# Altium PCB LION_TRACKER.PcbDoc (part 2 of 2) (continued)
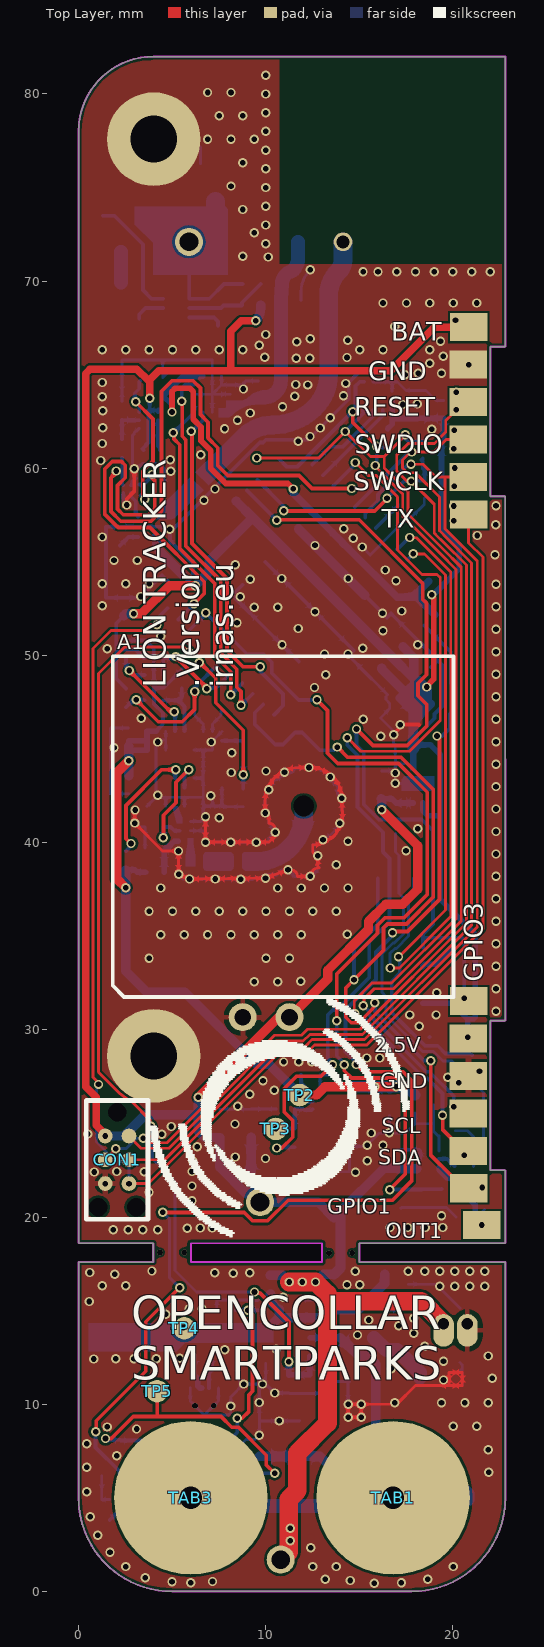
[diagram p0: Top Layer view]
## Nets (pads, with @x,y where several pads share a name; then routed paths per layer and width w, separated by ;. In a path a pad name is that pad's centre, name@x,y a point inside that pad or via, vN(x,y) a via of type N, cw(c..) or ccw(c..) an arc to the next point about the centre after c; other vN are vias at no path point) (continued)
NetC43_2: C43.2 U12.2 | length 1.4
  Bottom Layer w0.2: U12.2@6.97,7.97 6.97,7.29 C43.2@7.31,6.95 C43.2@7.31,7.16
NetC45_2: C45.2 R35.1 U14.5 | length 4.4
  Bottom Layer w0.2: U14.5@5.91,68.56 7.61,68.56 7.75,68.7 8.7,68.7 R35.1@8.73,68.73 8.73,68.85 C45.2@9.73,69.85
NetD2_2: D2.2 R9.2 | length 1.8
  Bottom Layer w0.3: R9.2@18.39,33.39 R9.2@18.4,33.4 18.5,33.5 19,33.5 D2.2@19.8,34.3
NetD3_1: D3.1 F1.1 | length 3.5
  Bottom Layer w0.75: F1.1@15.79,13.55 16.44,12.9 17.025,12.9 18.23,11.695 D3.1@18.23,11.42
NetD5_3: D5.3 R14.1 | length 21.6
  Bottom Layer w0.152: D5.3@16.929,40.494 16.929,39.501 17.117,39.313 17.117,37.284 17.357,37.043 17.357,35.129 16.865,34.637 16.794,34.637 16.364,34.207 16.207,34.051 16.207,32.013 16.43,31.79 16.43,30.805 18.385,28.85 18.97,28.85 19.473,28.347 19.945,28.347 21.642,26.65 21.642,23.302 21.1,22.76 R14.1@21.1,22.71
NetL1_1: L1.1 U2.3
NetL5_1: L5.1 U7.A2
NetR2_2: R2.2 U1.H9 | length 1.2
  Bottom Layer w0.2: U1.H9@7.66,45.45 8.69,45.45 R2.2@8.8,45.34
NetR3_2: R3.2 U1.C5 U2.5 | length 6.8
  Top Layer w0.2: v1(4.53,40.26) 4.54,40.27 4.54,41.47 5.21,42.14 5.21,43.23 v1(5.88,43.9)
  Bottom Layer w0.2: v1(4.53,40.26) 4.54,40.27 4.54,40.83 R3.2@4.55,40.84 4.92,40.84 5.12,40.64 U2.5@5.39,40.64 ; U1.C5@5.66,42.95 5.66,43.66 5.88,43.88 v1(5.88,43.9) v1@5.88,43.92
NetR4_1: R4.1 U1.D4 | length 6.6
  Top Layer w0.2: v1(2.8,39.96) 2.78,39.96 2.533,40.207 2.533,41.993 4.435,43.895 v1(5.185,43.895)
  Bottom Layer w0.2: R4.1@2.52,39.54 2.53,39.55 2.8,39.82 v1(2.8,39.96) ; U1.D4@5.16,43.45 5.16,43.87 v1(5.185,43.895) v1@5.21,43.92
NetR12_2: pad.106@21.535,19.579 R12.2 T2.3 | length 4.2
  Bottom Layer w0.2: T2.3@19.26,22.66 T2.3@19.26,22.68 ; R12.2@20.4,21.5 20.4,21.52 R12.2@20.4,21.54
  Bottom Layer w0.3: T2.3@19.26,22.66 19.26,22.53 19.713,22.077 19.873,22.077 20.4,21.55 R12.2@20.4,21.52 ; R12.2@20.4,21.5 20.4,21.45 21.195,20.655 21.195,20.185 21.544,19.836 21.544,19.588 v1(21.535,19.579)
NetR13_1: R13.1 T2.5 T2.6 | length 1.6
  Bottom Layer w0.2: R13.1@17.07,23.6 18.2,23.6 T2.6@18.26,23.54 T2.5@18.26,23.11
NetR14_2: R14.2 R16.2 T2.2 | length 2.1
  Bottom Layer w0.2: T2.2@19.26,23.11 19.7,23.11 R14.2@20.1,22.71 R16.2@20.1,23.81
NetR19_2: R19.2 U5.4 | length 1.1
  Bottom Layer w0.2: R19.2@2.22,55.88 2.67,56.33 U5.4@3.18,56.33
NetR20_1: R20.1 T3.5 T3.6 | length 1.7
  Bottom Layer w0.2: T3.5@4.24,62.57 T3.6@4.24,62.14 4.24,61.2 R20.1@4.4,61.04 R20.1@4.34,60.98
NetR21_2: R21.2 R22.2 T3.2 | length 1.9
  Bottom Layer w0.2: R21.2@2.32,61.57 R22.2@2.32,62.58 2.33,62.57 T3.2@3.24,62.57
NetR25_2: R25.2 U7.B3 | length 1.3
  Bottom Layer w0.2: R25.2@11.89,27.59 11.89,27.17 U7.B3@12.5,26.56
NetR27_1: R27.1 T4.3 TP5.0 U12.3 | length 21
  Top Layer w0.2: v1(1.44,8.17) 1.75,8.17 2.926,9.346 4.2,9.346 ; TP5.0@4.2,10.7 4.2,9.346 ; v1(10.48,6.31) 10.03,6.76 10.03,7.28 8.54,8.77 8.19,8.77 7.614,9.346 4.2,9.346
  Bottom Layer w0.2: v1(1.44,8.17) 1.505,8.105 T4.3@2.21,8.105 2.255,8.06 R27.1@4.5,8.06 ; U12.3@6.47,7.97 6.47,6.78 6.95,6.3 6.96,6.31 v1(10.48,6.31)
NetR28_1: R28.1 R30.2 U12.1 | length 9.7
  Top Layer w0.2: v1(8.48,9.25) 8.73,9.25 9.1,9.62 9.1,10.5 9.3,10.7 9.3,14.785 v1(9.055,15.03)
  Bottom Layer w0.2: U12.1@7.47,7.97 7.95,7.97 8.48,8.5 v1(8.48,9.25) ; R30.2@8.38,15.02 8.39,15.03 v1(9.055,15.03) R28.1@9.72,15.03
NetR29_2: R29.2 U13.5 | length 1.4
  Bottom Layer w0.2: U13.5@16.35,15.05 17.25,15.05 R29.2@17.61,15.41
NetR31_2: R31.2 R32.2 T4.1 | length 2.6
  Bottom Layer w0.2: R31.2@2.67,3.815 R32.2@2.67,4.905 2.67,5.42 3.18,5.93 T4.1@3.18,6.165
NetR36_2: R36.2 U14.6 | length 1.8
  Bottom Layer w0.2: U14.6@5.91,68.06 7.24,68.06 7.45,67.85 R36.2@7.45,67.63
NetT5_1: T5.1 U14.2 | length 1.6
  Bottom Layer w0.2: T5.1@3.24,67.99 3.24,68.225 3.575,68.56 U14.2@4.51,68.56
NetT5_3: T5.3 T6.3 | length 1.6
  Bottom Layer w0.75: T5.3@2.27,69.93 2.27,71.54 T6.3@2.28,71.55
NetT6_1: T6.1 U14.3 | length 6.5
  Bottom Layer w0.2: T6.1@1.31,73.49 1.92,73.49 3.44,71.97 3.44,69.52 3.9,69.06 U14.3@4.51,69.06
NetU1_A4: U1.A4 U2.6
NetU1_J7: U1.J7 X1.2 | length 1.3
  Bottom Layer w0.152: X1.2@6.206,47.04 6.206,46.79 6.66,46.337 U1.J7@6.66,45.95
NetU1_J8: U1.J8 X1.1 | length 1.3
  Bottom Layer w0.152: U1.J8@7.16,45.95 7.16,46.344 7.606,46.79 X1.1@7.606,47.04
NetU4_26: U4.26 U5.3
NetU5_6: U5.6 U6.B1 | length 1.4
  Bottom Layer w0.2: U6.B1@2.79,58.69 2.79,58.505 2.945,58.35 3.057,58.238 3.057,57.553 U5.6@3.18,57.43
NFC_GPIO: D5.2 pad.106@20.84,21.54 U4.15 | length 48.3
  Top Layer w0.2: v1(13.83,45.11) 14.38,44.56 17.24,44.56 18.954,42.846 18.954,37.096 17.521,35.663 16.505,35.663 16.296,35.454 16.296,35.086 16.293,35.083 16.293,34.256 v1(14.716,32.678) 14.706,32.678 14.27,32.242 14.27,30.679 14.569,30.38 14.964,30.38 15.687,31.102 15.687,31.136 15.82,31.269 v1(15.82,31.444) ; v1(18.81,28.36) 18.81,23.32 19.94,22.19 20.59,21.54 pad.106@20.84,21.54
  Bottom Layer w0.2: U4.15@9.874,47.396 9.419,46.941 9.419,46.339 9.435,46.323 9.435,46.312 9.956,45.791 10.488,45.259 10.499,45.259 10.514,45.244 10.925,45.244 11.571,45.89 11.949,45.89 12.895,44.944 13.664,44.944 v1(13.83,45.11) ; v1(14.716,32.678) 14.716,34.343 15.979,35.606 D5.2@15.979,38.094 ; v1(15.82,31.444) 15.84,31.425 15.84,30.967 18.447,28.36 v1(18.81,28.36) ; v1(21.577,21.58) 21.577,21.607 21.58,21.61 v1@21.66,21.53
REED: U4.46 U9.2 | length 32.5
  Top Layer w0.152: v1(17.096,33.904) 17.104,33.904 19.6,36.4 19.6,54.311 18.478,55.433 v1(17.883,55.433)
  Bottom Layer w0.2: v1(17.096,33.904) 17.154,33.846 17.154,33.012 16.738,32.596 16.738,30.926 17.154,30.51 18.511,29.153 19.187,29.153 19.594,28.746 20.924,28.746 U9.2@21.02,28.65 ; U4.46@17.579,55.113 17.891,55.425 v1(17.883,55.433)
RESET: C11.2 CON1.3 pad.103@20.82,63.54 R18.1 U4.34 | length 69.9
  Top Layer w0.152: CON1.3@1.425,23.06 1.99,23.625 v1(1.99,23.66) ; v1(3.46,24.21) 3.7,23.97 4.727,23.97 6.238,25.481 6.919,26.162 10.475,29.718 11.918,29.718 12.237,30.037 15.053,30.037 20.721,35.705 20.721,54.833 19.525,56.029 19.079,56.475 19,56.554 19,58.08 v1(17.77,59.31) 17.54,59.31 17,59.85 17,60.722 17.611,61.333 19.017,61.333 19.617,61.933 19.617,62.552 20.001,62.936 20.001,63.13 20.001,63.401 20.14,63.54 pad.103@20.84,63.54
  Top Layer w0.2: v1(10.97,57.727) 10.977,57.72 15.82,57.72 16.48,58.38 v1(16.48,58.4)
  Bottom Layer w0.152: v1(1.99,23.66) 2.551,23.66 3.101,24.21 v1(3.46,24.21)
  Bottom Layer w0.2: U4.34@9.554,59.377 10.982,57.949 10.928,57.894 10.928,57.769 v1(10.97,57.727) ; v1(16.48,58.4) 17.39,59.31 v1(17.77,59.31) ; v1@17.77,59.23 17.88,59.34 C11.2@18.47,59.34 ; R18.1@18.395,60.525 18.32,60.45 R18.1@18.39,60.38 18.39,59.99 18.49,59.89 18.49,59.38 18.46,59.35 C11.2@18.47,59.34 ; C11.2@18.45,59.32 C11.2@18.47,59.34 ; v1(20.18,63.13) 20.183,63.133 v1(20.183,64.068)
RXD: R5.2 T1.1 U1.J4 | length 6.1
  Top Layer w0.2: v1(2.712,49.198) 4.915,46.995 v1(5.114,46.995)
  Bottom Layer w0.2: R5.2@2.54,49.82 2.54,49.37 v1(2.712,49.198) 2.955,48.955 T1.1@3.53,48.955 ; v1@5.069,47.04 v1(5.114,46.995) 5.16,46.949 U1.J4@5.16,45.95
SCL: pad.104@20.82,25.54 R10.1 U4.35 U10.1 | length 53.6
  Top Layer w0.152: v1(9.525,60.551) 12.831,60.551 v1(14.25,61.97) 15.59,60.63 16.33,60.63 ; v1(15.21,31.3) 15.241,31.331 15.241,31.641 15.8,32.2 16.822,32.2 20.442,35.82 20.442,54.718 19.41,55.75 18.8,56.359 17.6,57.56 17.6,58.75 16.33,60.02 16.33,60.63 ; v1(17.45,61.795) 17.45,61.75 16.33,60.63
  Bottom Layer w0.2: v1(14.25,61.97) 14.835,62.555 14.851,62.555 15.13,62.834 15.13,62.85 15.25,62.97 U10.1@15.25,63.12 ; v1(15.21,31.3) 15.513,30.997 15.513,30.828 18.571,27.77 18.74,27.77 20.045,26.465 v1(20.045,25.894) ; v1(17.45,61.795) 17.45,61.61 17.6,61.46 R10.1@18.39,61.46
SCLK: U3.3 U4.16 | length 19.9
  Top Layer w0.2: v1(5.517,63.58) 5.539,63.558 5.539,61.711 5.733,61.517 5.733,55.855 7.604,53.984 7.604,50.122 8.457,49.269 8.457,48.303 8.68,48.08 v1(8.68,47.35)
  Bottom Layer w0.2: v1(5.517,63.58) 5.51,63.587 5.51,64.28 5.69,64.46 U3.3@6.178,64.46 ; v1(8.68,47.35) 8.696,47.35 U4.16@9.308,47.962
SDA: pad.105@20.82,23.54 R11.1 U4.36 U10.4 | length 55.6
  Top Layer w0.152: v1(14.767,30.857) 14.733,30.89 14.733,31.551 15.683,32.501 16.728,32.501 20.163,35.936 20.163,54.602 19.294,55.471 18.521,56.244 17.321,57.444 17.321,58.634 15.86,60.095 v1(15.86,60.15)
  Top Layer w0.2: v1(14.653,63.032) 14.653,62.454 v1(15.932,61.175) ; v1@19.452,25.439 19.452,24.679 20.59,23.54 pad.105@20.84,23.54
  Bottom Layer w0.2: U4.36@10.692,60.515 11.116,60.091 11.691,60.091 14.641,63.041 14.651,63.032 v1(14.653,63.032) 14.653,63.034 14.644,63.044 14.8,63.2 14.8,64.4 15.02,64.62 U10.4@15.25,64.62 ; v1(14.767,30.857) 15.043,30.581 15.298,30.581 18.439,27.44 18.608,27.44 19.442,26.606 19.442,25.449 v1@19.452,25.439 ; v1(15.86,60.15) 15.932,60.222 v1(15.932,61.175) 16.115,61.175 16.17,61.12 R11.1@16.52,61.12
  other v1: 20.6,23.3 19.442,25.439
SDAT: U3.12 U4.14 | length 19.2
  Top Layer w0.2: v1(6.016,61.99) 6.06,61.945 6.06,55.99 7.931,54.119 7.931,50.258 8.789,49.4 v1(9.7,49.4)
  Bottom Layer w0.2: v1(6.016,61.99) 6.026,62 6.09,62 6.64,62.55 U3.12@6.64,62.998 ; v1(9.7,49.4) 9.7,49.17 10.921,47.949 10.921,47.312 U4.14@10.44,46.831
SEN: U3.1 U4.17 | length 18.2
  Top Layer w0.2: v1(5.062,61.9) 5.1,61.862 5.1,61.569 5.406,61.263 5.406,55.719 6.967,54.158 6.967,54.155 7.277,53.845 7.277,49.987 8.13,49.134 v1(8.13,47.91)
  Bottom Layer w0.2: v1(5.062,61.9) 5.072,61.91 5.09,61.91 6.178,62.998 U3.1@6.178,63.46 ; v1(8.13,47.91) 8.14,47.91 8.743,48.513 U4.17@8.743,48.528
SQI_CLK: U1.E1
SQI_CS: U1.D3
SQI_D0: U1.D1
SQI_D1: U1.C1
SQI_D2: U1.E3
SQI_D3: U1.F3
SWCLK: CON1.4 pad.105@20.82,59.54 U4.42 | length 56.8
  Top Layer w0.152: CON1.4@2.695,23.06 4.606,23.06 10.646,29.1 12.1,29.1 12.479,29.479 15.284,29.479 21.3,35.495 21.3,55.044 19.756,56.587 19.57,56.773 19.57,59.54 ; v1(17.76,60.218) 18.411,60.218 19.089,59.54 19.57,59.54 ; pad.105@20.84,59.54 19.57,59.54
  Bottom Layer w0.2: U4.42@15.317,57.376 15.317,57.588 16.003,58.274 16.003,58.597 17.566,60.161 17.703,60.161 v1(17.76,60.218) ; v1(20.07,59.04) 20.097,59.067 v1(20.097,60.021)
SWDIO: CON1.2 pad.104@20.82,61.54 U4.41 | length 59.4
  Top Layer w0.152: CON1.2@2.695,24.33 3.345,23.68 4.831,23.68 6.353,25.202 7.198,26.047 10.551,29.4 12,29.4 12.358,29.758 15.169,29.758 21,35.589 21,54.949 19.641,56.308 19.358,56.591 19.279,56.67 19.279,58.471 17.987,59.763 17.582,59.763 17.579,59.76 17.56,59.76 17.3,60.02 17.3,60.448 17.728,60.876 v1(17.794,60.876) ; v1@17.794,60.88 18.98,60.88 19.64,61.54 pad.104@20.84,61.54
  Bottom Layer w0.2: U4.41@14.751,57.941 17.685,60.876 v1(17.794,60.876) ; v1(20.05,61.04) 20.078,61.068 v1(20.078,62.028)
TCXO_VCC: C8.2 U3.4 U4.1 U4.48 | length 27.2
  Top Layer w0.3: v1(4.99,63.01) 4.99,64.104 5.166,64.28 5.954,64.28 6.13,64.104 6.13,62.62 6.543,62.208 6.543,61.472 7.065,60.949 7.065,59.995 7.867,59.193 11.187,59.193 v1(11.48,58.9)
  Bottom Layer w0.3: C8.2@4.5,63.822 cw(c4.567,63.822) C8.2@4.52,63.87 ; v1(4.99,63.01) 4.99,63.355 4.983,63.362 4.983,63.407 C8.2@4.52,63.87 ; U3.4@6.64,64.922 5.584,64.922 4.552,63.89 C8.2@4.5,63.89 C8.2@4.52,63.87 ; U4.48@18.718,53.928 U4.48@18.718,53.975
  Bottom Layer w0.4: v1(11.48,58.9) 11.48,58.66 13.593,56.547 13.593,56.541 13.931,56.203 13.937,56.203 14.093,56.047 14.093,56.031 14.431,55.693 14.447,55.693 17.022,53.118 17.861,53.118 ; U4.48@18.718,53.975 17.861,53.118 ; U4.1@19.036,52.171 18.09,53.118 17.861,53.118
TXD: R7.2 T1.4 U1.J5 | length 3.3
  Bottom Layer w0.2: T1.4@4.53,47.605 5.325,47.605 ; R7.2@5.52,48.25 5.52,47.8 5.325,47.605 ; U1.J5@5.66,45.95 5.66,47.27 5.325,47.605
UART2_TX: CON1.6 pad.106@20.84,57.54 U4.24 | length 82.6
  Top Layer w0.152: v1(1.068,27.087) 1.068,27.181 0.78,27.47 0.78,50.38 1.73,51.33 3.55,51.33 3.869,51.649 v1(4.189,51.649) ; v1(2.695,21.79) 3.73,21.79 10.74,28.8 12.2,28.8 12.6,29.2 15.4,29.2 21.6,35.4 21.6,55.26 20.84,56.02 pad.106@20.84,57.54
  Bottom Layer w0.152: v1(1.068,27.087) 1.002,27.02 1.002,26.861 0.965,26.824 0.965,24.005 2.006,22.964 2.516,22.964 2.695,22.785 v1(2.695,21.79)
  Bottom Layer w0.2: v1(4.189,51.649) 4.189,51.961 U4.24@4.749,52.521 ; v1(20.05,57.99) 20.05,57.204 v1(20.055,57.199)
VBAT: C18.2 C19.2 C20.2 C21.2 C33.2 CON1.1 CON3.2 P1.1 pad.69 pad.101@20.84,67.54 pad.111 pad.209@9.7,20.8 pad.209@10.8,1.7 R13.2 R20.2 R35.2 R37.2 T2.4 T3.4 U7.A1 U8.7 U8.8 U13.3 | length 153
  Top Layer w0.4: v1(1.425,24.33) 1.425,24.436 0.944,24.916 0.944,26.395 0.377,26.963 0.377,65.067 0.611,65.301 3.119,65.301 3.74,64.68 ; v1(3.8,63.74) 3.8,64.62 3.74,64.68 ; v1(9.46,67.88) 8.69,67.88 8.141,67.331 8.141,66.593 8.143,66.592 8.141,66.59 8.141,66.071 8.143,66.069 8.141,66.067 8.141,65.22 ; pad.101@20.84,67.54 19,67.54 16.68,65.22 8.141,65.22 ; 3.74,64.68 4.28,65.22 8.141,65.22
  Top Layer w0.5: v1(6.4,26.4) 10.68,30.68 CON3.2@11.27,30.68 13.313,32.723 13.313,33.182 15.489,35.358 15.489,35.789 16.412,36.712 17.312,36.712 18.12,37.52 18.12,39.837 v1(16.192,41.765)
  Top Layer w1: pad.209@11.23,2.11 11.23,4.93 11.69,5.39 11.69,7.39 13.3,9 13.3,15.89 v1(12.66,16.53) v1(11.96,16.53) v1(11.26,16.53) ; 13.3,15.5 18.3,15.5 pad.111@19.5,14.3
  Bottom Layer w0.2: R20.2@3.48,60.96 R20.2@3.4,61.04 3.74,61.38 3.74,63.1 ; v1(3.8,63.74) 3.8,63.16 3.74,63.1 ; T3.4@4.27,63.15 4.33,63.09 T3.4@4.24,63 4.14,63.1 3.74,63.1
  Bottom Layer w0.3: C33.2@16.18,42.34 16.189,42.349 16.744,42.349 16.973,42.12 U8.8@17.38,42.12 U8.7@17.88,42.12
  Bottom Layer w0.4: v1(1.425,24.33) v1@1.425,24.357
  Bottom Layer w0.5: v1(1.425,24.33) 2.43,24.33 3.576,25.476 6.4,25.476 ; v1(6.4,26.4) 6.4,25.476 ; pad.69@9.22,21.23 8.97,21.23 7.54,22.66 C18.2@7.54,24.25 6.75,24.25 6.4,24.6 6.4,25.476 ; C19.2@9.22,24.26 9.22,21.54 pad.69@9.805,20.955 ; v1(9.46,67.88) ccw(c8.808,68.532) 9.73,68.532 R35.2@9.73,68.73 ; pad.69@9.65,20.8 12.8,20.8 13.65,19.95 ; R37.2@10.228,16.887 10.903,16.887 v1(11.26,16.53) v1(11.96,16.53) v1(12.66,16.53) 13.08,16.95 U13.3@13.65,16.95 ; 14,20.3 16.3,22.6 R13.2@17.07,22.6 17.07,22.583 T2.4@18.06,22.583 ; C33.2@16.18,42.34 16.192,42.328 v1(16.192,41.765)
  Bottom Layer w0.55: U13.3@13.65,16.95 14,17.3 14,20.3
  other v1: 11.31,2.71 11.31,3.38 20.14,67.92
VBKP: C17.2 R2.1 U4.20 | length 8.4
  Top Layer w0.2: v1(6.445,49.624) 6.489,49.624 7.326,48.788 7.326,47.479 8.8,46.005 v1(8.8,43.63)
  Bottom Layer w0.2: C17.2@8.8,42.88 R2.1@8.8,44.3
VCHG: C40.2 C41.2 C42.2 L6.2 R28.2 R37.1 TP4.0 U13.1 U13.4 | length 9.7
  Bottom Layer w0.5: C41.2@10,13.69 10,13.94 10.68,14.62 ; R37.1@10.228,15.887 10.278,15.887 10.278,15.555 10.347,15.486 10.347,15.403 10.67,15.08 10.72,15.08 10.72,14.66 10.68,14.62 ; U13.4@16.35,16.95 16.35,16.45 14.95,15.05 U13.1@13.65,15.05 13.22,14.62 C40.2@11.8,14.62 10.68,14.62
  other v1: 5.6,14.1
VGPS_EN: R23.2 R24.2 TP3.0 U7.B1 | length 3
  Bottom Layer w0.2: v1(10.53,24.73) R23.2@11.54,24.73 11.56,24.75 R24.2@11.56,25.77 12,25.77 12.06,25.71 12.45,25.71 U7.B1@12.5,25.76
VIN: C31.2 C32.2 D4.K F1.2 R27.2 R33.2 U12.4 | length 16.9
  Bottom Layer w0.3: R27.2@4.5,7.06 5.84,7.06 5.86,7.08 5.86,7.86 U12.4@5.97,7.97 ; R33.2@12.37,13.55 F1.2@13.99,13.55
  Bottom Layer w0.5: C31.2@9.66,7.21 9.67,7.22 C32.2@11.81,7.22 12.9,7.22 13.425,6.695 D4.K@14.49,6.695 ; F1.2@13.99,13.55 14.94,12.6 15.441,12.6 15.885,12.156 15.885,8.69 D4.K@14.49,7.295
VSWR_AN: U4.23 U6.A2 | length 20.5
  Top Layer w0.2: v1(3.93,59.67) 3.93,59.49 4.07,59.35 4.07,57.87 3.72,57.52 2.39,57.52 2.08,57.83 2.08,59.08 2.493,59.493 2.493,60.167 2.3,60.36 1.8,60.36 1.403,59.963 1.403,57.565 1.406,57.562 1.406,57.534 2.05,56.89 2.078,56.89 2.125,56.843 3.817,56.843 6.714,53.946 6.714,53.314 v1(6.17,52.77)
  Bottom Layer w0.2: U6.A2@3.24,59.14 3.47,59.14 v1@3.793,59.463 ; U4.23@5.344,51.927 5.344,51.944 v1(6.17,52.77)
VSWR_EN: R21.1 U4.40 U6.C2 | length 28
  Top Layer w0.2: v1(2.01,59.86) 2.01,59.779 1.73,59.499 1.73,57.7 2.26,57.17 3.87,57.17 4.429,57.729 4.429,64.12 4.988,64.679 6.121,64.679 6.511,64.289 6.511,62.876 6.92,62.467 6.92,61.628 7.442,61.105 7.442,60.151 7.973,59.62 11.78,59.62 12.477,58.923 v1(14.595,58.923)
  Bottom Layer w0.2: R21.1@2.32,60.57 2.33,60.56 2.33,59.15 U6.C2@2.39,59.09
pads on no net: A2.3 A2.4 A2.5 A2.6 A2.7 CON1.0 U1.A2 U1.A6 U1.B1 U1.C3 U1.C4 U1.C6 U1.D9 U1.E9 U1.F1 U1.F4 U1.F6 U1.F9 U1.G4 U1.G5 U1.G9 U1.J6 U4.8 U4.9 U4.10 U4.11 U4.12 U4.13 U4.28 U4.29 U4.30 U4.31 U4.47 U8.3 U8.4 U8.5 U10.2 U10.3 U14.1
copper on no net:
  other v2: 13.38,18.07 14.62,18.08 4.35,18.11 5.65,18.11

## Polygon pours and split planes (outlines as drawn)
GND on Bottom Layer "Bottom Layer-GND" (solid, remove dead copper, pour order 31): 22.8,82 22.8,0 0,0 0,82
VBAT on Bottom Layer "Bottom Layer-VBAT" (solid, remove dead copper, pour order 29): 7.65,22.55 7.65,19.05 15.18,19.05 18.46,22.33 18.46,22.83 16.23,22.83 15.66,22.33 14.74,21.523 13.595,21.519 13.631,25.442 13.2,25.86 12.925,25.86 12.12,25.055 12.12,23.02 11.65,22.55
NetL5_1 on Bottom Layer "Bottom Layer-NetL5_1" (solid, pour order 24): 12.86,26.38 15.48,26.38 15.48,25.01 13.78,25.01 12.86,25.93
VIN on Bottom Layer "Bottom Layer-VIN" (solid, remove dead copper, pour order 28): 15.33,7.445 15.33,6.486 13.924,5.08 6.37,5.08 5.35,6.1 5.35,8.35 5.395,8.395 6.032,8.395 6.095,8.333 6.757,7.67 9.02,7.67 15.105,7.67
NetC39_2 on Bottom Layer "Bottom Layer-NetC39_2" (solid, remove dead copper, pour order 25): 0.55,9.24 4.41,9.24 5.615,10.445 6.85,10.445 6.85,11.46 6.29,12.02 1.35,12.02 0.55,11.22
GND on Top Layer "Top Layer-GND " (solid, remove dead copper, pour order 27): 22.8,82 22.8,0 0,0 0,82

## Keep-outs
Keep-Out Layer:
  lines w0.1: 0,5 ccw(c4.999,5) 5,0 17.8,0 ccw(c17.801,5) 22.8,5 22.8,17.6 15,17.6 15,18.6 22.8,18.6 22.8,22.5 22,22.5 22,30.5 22.8,30.5 22.799,58.5 22,58.5 22,66.5 22.8,66.5 22.8,70.08 22.8,82 4,82 ccw(c4,78) 0,78 0,18.6 4,18.6 4,17.6 0,17.6 0,5 ; 6,17.6 6,18.6 13,18.6 13,17.6 6,17.6

## Other copper
Top Layer:
  pour cut-out: 10.72,82 10.72,70.89 22.8,70.89 22.8,82
Bottom Layer:
  region net AC+: 19.005,5.97 17.07,5.97 ccw(c17.07,5) 16.1,5 ccw(c17.23,5) 17.23,3.87 19.003,3.87
  region net ANT: 9.962,63.423 9.656,63.423 ccw(c9.656,61.327) 8.174,62.809 cw(c7.972,63.011) 7.972,62.725 7.49,62.725 7.49,63.2 7.79,63.2 ccw(c7.79,63.31) 7.9,63.31 7.9,63.61 8.612,63.61 ccw(c8.612,64.238) 9.056,63.794 9.069,63.807 cw(c9.946,62.929) 9.946,64.17
  region net NetC2_1: 6.67,39.3 cw(c6.87,39.3) 6.87,39.5 7.782,39.5 7.782,38.5 6.87,38.5 cw(c6.87,38.7) 6.67,38.7
  region net NetC2_1: 7.782,39.5 8.08,39.5 cw(c8.08,39.3) 8.28,39.3 8.28,38.7 cw(c8.08,38.7) 8.08,38.5 7.782,38.5
  region net NetA1_1: 9.53,39.5 8.9,39.5 ccw(c8.9,39.34) 8.74,39.34 8.74,38.74 ccw(c8.98,38.74) 8.98,38.5 9.53,38.5
  region net LORA_ANT: 3.93,57.28 3.93,57.58 ccw(c3.93,57.678) 3.999,57.609 4.49,58.1 5.19,57.4 cw(c4.911,57.689) 4.911,57.28
  region net NetU4_26: 5.455,54.079 4.253,55.281 cw(c5.034,56.062) 3.93,56.062 3.93,56.48 4.43,56.48 4.43,56.062 ccw(c5.034,56.062) 4.607,55.635 5.809,54.433
  pour cut-out: 15.803,4.997 cw(c16.803,4.997) 16.803,5.997 cw(c16.803,4.997) 17.803,4.997 cw(c16.803,4.997) 16.803,3.997 cw(c16.803,4.997)
  pour cut-out: 5.02,5.011 cw(c6.02,5.011) 6.02,6.011 cw(c6.02,5.011) 7.02,5.011 cw(c6.02,5.011) 6.02,4.011 cw(c6.02,5.011)
  region net NetA2_2: 6.236,59.796 6.71,60.27 7.42,59.56 6.946,59.086
  region: 6.372,59.66
  region net GND_BAT: 7.98,73.84 7.855,73.965 3.01,73.965 3.01,73.015 3.98,72.045 3.98,70.34 7.98,70.34
  region net +2.5V: 17.19,47.73 18.107,48.647 18.712,48.042 18.712,47.166 18.182,46.635
  pour cut-out: 8.893,39.638 5.59,39.638 5.59,38.362 8.956,38.362
  pour cut-out: 9.215,39.5
  pour cut-out: 22.8,81.945 22.8,70.895 10.71,70.895 10.71,81.954
  region net NetU1_A4: 5.54,41.04 5.24,41.04 5.01,41.95 5.31,41.95 5.54,41.34
  region: 8.28,39.34
  region net NetL1_1: 5.73,38.74 5.73,39.34 5.84,39.94 5.84,40.24 6.14,40.24 6.14,39.94 6.23,39.34 6.23,38.74
  region net LORA_ANT: 5.974,59.534 5.57,59.13 6.27,58.43 6.682,58.827
  pour cut-out: 6.78,58.73 7.04,58.99 6.14,59.89 5.88,59.63
  region: 9.99,63.07
  region net +2.5V: 18.03,43.87 18.03,44.76 18.18,44.91 18.18,45.55 17.58,45.55 17.58,44.91 17.73,44.76 17.73,43.87
  region net VCHG: 0.55,12.84 0.55,14.34 10.4,14.34 10.4,13.29 8.09,13.29 8.08,13.3 5.71,13.3 5.25,12.84
  region: 13.774,59.651
  region: 7.82,61.23

## Silkscreen, mask and mechanical layers (free items; w line width, h text height)
Top Overlay:
  drawing of 378 lines, arcs and shapes, not listed
  text "BAT" at 16.695,66.821 h1
  text "GND" at 15.489,64.718 h1
  text "RESET" at 14.728,62.807 h1
  text "SWDIO" at 14.753,60.793 h1
  text "SWCLK" at 14.702,58.831 h1
  text "TX" at 16.2,56.839 h1
  text "LION TRACKER / .Version / irnas.eu" at 8.26,48.282 h1.2 r90
  text "GPIO3" at 21.6,32.56 h1 r90
  text "2.5V" at 15.803,28.808 h0.8
  text "GND" at 16.108,26.89 h0.8
  text "SCL" at 16.189,24.489 h0.8
  text "SDA" at 16.022,22.809 h0.8
  text "GPIO1" at 13.291,20.17 h0.8
  text "OUT1" at 16.421,18.86 h0.8
  text "OPENCOLLAR / SMARTPARKS" at 2.81,11.32 h1.8
Bottom Overlay:
  text "BAT-" at 8.32,70.59 h0.8 r270
  text "BAT+" at 6.493,19.418 h0.8 r270
  text "BAT+" at 11.825,0.665 h0.8 r270
Top Solder:
  lines w1: 2.653,45.38 5.57,45.38 ccw(c5.57,46.65) 6.84,46.65 6.84,46.8 ; 6.234,45.567 cw(c4.867,44.201) 6.8,44.201 6.8,44.101 cw(c5.229,44.101) 6.34,42.99 ccw(c7.137,42.193) 6.01,42.193 6.01,40.54 cw(c2.944,40.54) 5.112,38.372 3.003,36.263 ccw(c3.848,35.418) 2.653,35.418 2.653,33.85 ccw(c3.923,33.85) 3.923,32.58 11.734,32.58 ; 11.734,32.577 12.34,33.183 12.34,33.78 17.096,38.535 17.096,39.455 15.246,41.304 15.246,43.046 14.855,43.438 13.436,43.438 12.922,43.438 cw(c12.922,46.504) 10.754,44.336 10.268,44.822 cw(c11.855,46.41) 9.61,46.41 9.61,47.142 cw(c11.682,47.142) 10.217,48.607 10.62,49.01 cw(c11.393,48.237) 11.393,49.33 17.68,49.33 ; 6.84,46.8 ccw(c6.84,46.8) 6.84,46.8
Bottom Solder:
  rectangle: 0,65.42 10.12,66.97
  rectangle: 0,35.13 1.63,66.42
  rectangle: 3.09,35.13 14.51,36.57
  rectangle: 20.56,36.1 22,65.75
  rectangle: 14.12,65.44 22,66.97
Route Tool Path:
  lines w1: -0.5,78 cw(c4,78) 3.996,82.5 ; 0,18.1 3.498,18.1 ; 5,-0.5 cw(c4.999,5) -0.5,5 ; 6.5,18.1 12.499,18.1 ; 17.8,-0.5 ccw(c17.8,5) 23.3,4.999 ; 22.794,23 22.5,23 22.5,30 22.794,30 ; 22.794,59 22.5,59 22.5,66 22.794,66 ; -0.5,5 -0.5,5 ; -0.5,5 -0.5,5 ; -0.005,18.1 cw(c0,18.6) -0.5,18.6 ccw(c0,18.6) -0.005,18.1 ; -0.005,18.1 ccw(c0,17.6) -0.5,17.6 cw(c0,17.6) -0.005,18.1 ; 3.996,82.5 cw(c4,82) 4,82.5 ccw(c4,78) 3.996,82.5 ; 15.5,18.1 22.797,18.1 ; 15.5,18.1 22.797,18.1 ; 15.5,18.1 15.5,18.1 ; 22.797,18.1 ccw(c22.8,18.6) 22.798,18.1 ; 22.797,18.1 cw(c22.8,17.6) 22.798,18.1 ; 22.797,18.1 22.8,18.1 ; 22.797,18.1 22.8,18.1 ; 22.798,18.1 ccw(c22.8,18.6) 22.8,18.1 ; 22.798,18.1 cw(c22.8,17.6) 22.8,18.1 ; 22.8,18.1 cw(c22.8,17.6) 22.802,18.1 ; 22.8,18.1 ccw(c22.8,18.6) 22.802,18.1 ; 22.8,18.1 ccw(c22.8,18.6) 22.802,18.1 ; 22.8,18.1 cw(c22.8,17.6) 22.802,18.1 ; 22.802,18.1 cw(c22.8,17.6) 23.3,17.6 ccw(c22.8,17.6) 22.802,18.1 ; 22.802,18.1 ccw(c22.8,18.6) 23.3,18.6 cw(c22.8,18.6) 22.802,18.1 ; 23.3,4.999 ccw(c22.8,5) 23.3,5 ; 23.3,4.999 ccw(c17.8,5) 23.3,5 ; 23.3,5 ccw(c17.8,5) 23.3,5

## Dimensions
22.9,22.5 to 22.9,30.5 on Mechanical 16
22.9,18.6 to 22.9,17.6 on Bottom Solder
22.9,66.5 to 22.799,58.5 on Bottom Solder
4,78 to -4.21,83.312 on Bottom Solder
22.9,58.5 to 22.9,30.5 on Bottom Solder
22.9,66.5 to 22.8,82 on Mechanical 16
22.9,17.6 to 22.8,0 on Bottom Solder
22.9,22.5 to 22.9,18.6 on Mechanical 16
22.8,82 to 22.8,0 on Mechanical 16
0,82 to 22.8,82 on Mechanical 16

## Text inside footprints (layer, text, board x,y; h text height)
D3: Bottom Assembly "~" at 17.9,7.67 h1 r180; Bottom Assembly "-" at 20.4,9.97 h1 r180; Bottom Assembly "~" at 20.4,7.67 h1 r180; Bottom Assembly "+" at 17.9,9.97 h1 r180; Bottom Overlay "+" at 17.9,9.97 h1 r180; Bottom Overlay "-" at 20.4,9.97 h1 r180; Bottom Overlay "~" at 17.9,7.67 h1 r180; Bottom Overlay "~" at 20.4,7.67 h1 r180